# Altium PCB display.PcbDoc (part 4 of 5) (continued)
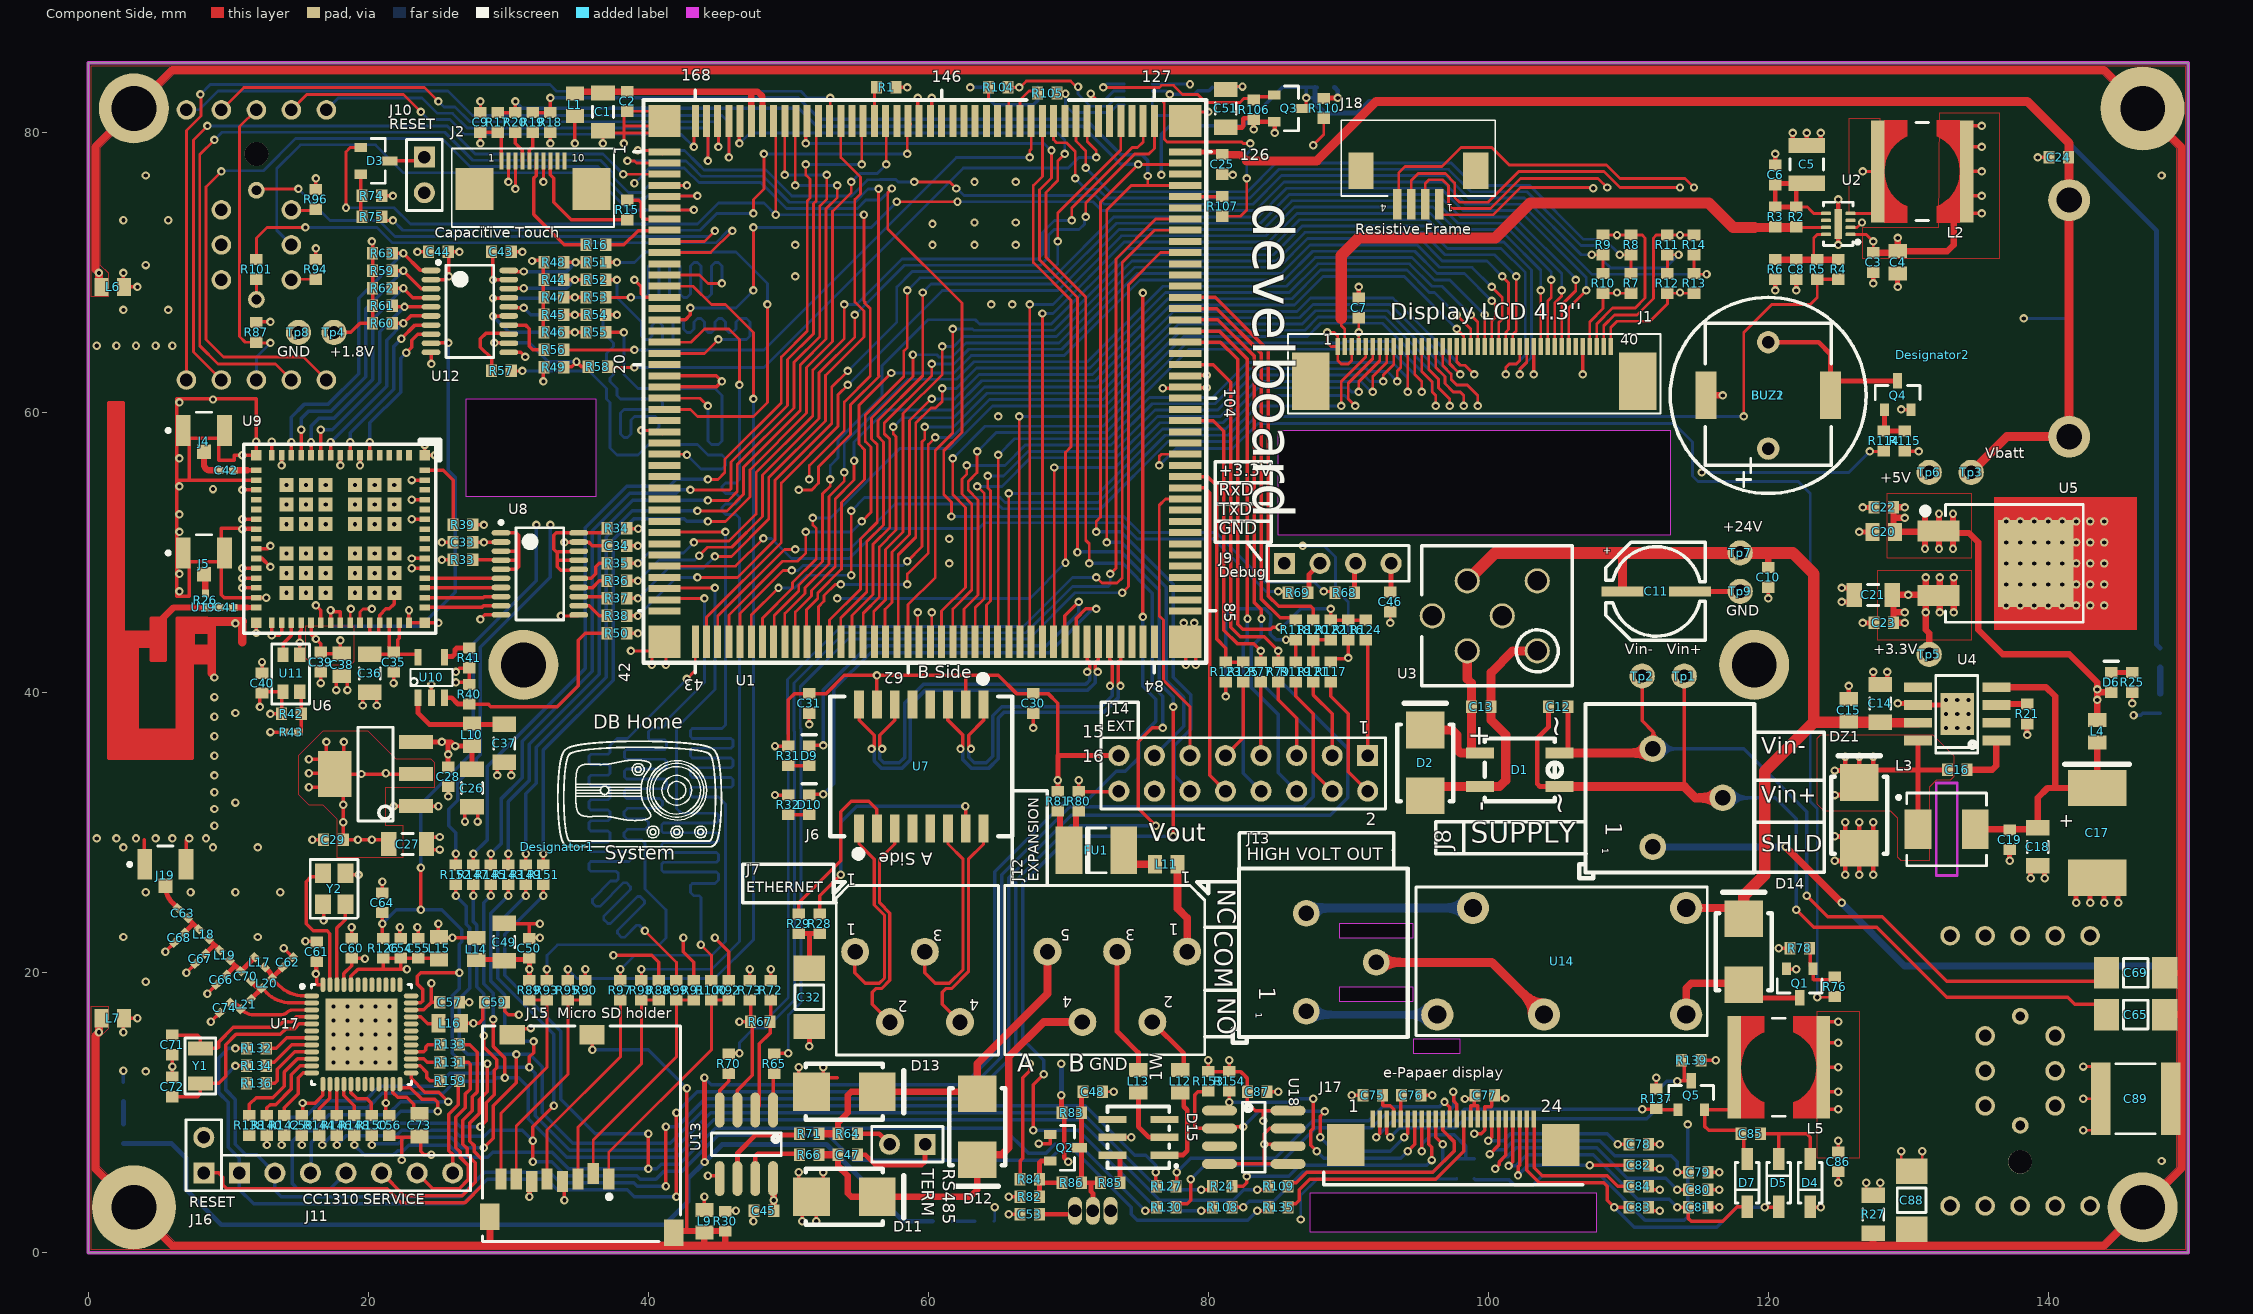
[diagram p0: Component Side view]
## Nets (pads, with @x,y where several pads share a name; then routed paths per layer and width w, separated by ;. In a path a pad name is that pad's centre, name@x,y a point inside that pad or via, vN(x,y) a via of type N, cw(c..) or ccw(c..) an arc to the next point about the centre after c; other vN are vias at no path point) (continued)
PE22_MCI1_DA2: J15.1 R92.2 R100.2 | length 17.1
  Component Side w0.2: J15.1@37.165,5.275 37.165,7.165 44.5,14.5 R100.2@44.5,18.05 R92.2@45.75,18.05
PE22_TIOB4_MCI1_DA2_M19: R100.1 U1.40 | length 61.5
  Component Side w0.2: U1.40@41.15,47.45 41.2,47.5 v1(44.75,47.5) ; v1(43.75,22) 44.5,21.25 R100.1@44.5,19.45
  Bottom Layer w0.2: v1(43.75,22) 43.75,25.39 43.64,25.5 43.25,25.5 43,25.75 43,26.25 43.14,26.39 44.75,26.39 45,26.64 45,27.06 44.86,27.2 41.09,27.2 40.95,27.34 40.95,27.76 41.09,27.9 44.86,27.9 45,28.04 45,28.46 44.86,28.6 41.09,28.6 40.95,28.74 40.95,29.16 41.09,29.3 44.86,29.3 45,29.44 45,29.86 44.86,30 41.09,30 40.95,30.14 40.95,30.56 41.09,30.7 44.86,30.7 45,30.84 45,31.26 44.86,31.4 42.35,31.4 42,31.75 42,37.5 44.75,40.25 v1(44.75,47.5)
PE23_MCI1_DA3: J15.2 R91.2 R99.2 | length 16.1
  Component Side w0.2: J15.2@36.065,5.675 36.065,8.065 42,14 R99.2@42,18.05 R91.2@43.25,18.05
PE23_TCLK4_MCI_DA3_L18: R99.1 U1.43 | length 63.2
  Component Side w0.2: v1(39.75,23) 42,20.75 R99.1@42,19.45 ; v1(42.75,41) 43.35,41.6 U1.43@43.35,43.65
  Bottom Layer w0.2: v1(39.75,23) 39.352,23.398 39.154,23.398 38.291,22.536 38.093,22.536 37.796,22.833 37.796,23.031 39.719,24.954 39.719,25.152 39.422,25.449 39.224,25.449 37.301,23.526 37.103,23.526 36.806,23.823 36.806,24.021 38.729,25.944 38.729,26.142 38.432,26.439 38.234,26.439 36.545,24.75 36.25,24.75 36,25 36,25.25 37.3,26.55 37.709,26.55 37.849,26.69 37.849,27.11 37.709,27.25 35.89,27.25 35.75,27.39 35.75,27.81 35.89,27.95 38.61,27.95 38.75,28.09 38.75,28.51 38.61,28.65 35.89,28.65 35.75,28.79 35.75,29.21 35.89,29.35 37.11,29.35 37.25,29.49 37.25,30 37.11,30.14 35.89,30.14 35.75,30.28 35.75,30.72 35.89,30.86 37.11,30.86 37.25,31 37.25,31.5 37.11,31.64 35.89,31.64 35.75,31.78 35.75,32.22 35.89,32.36 37.11,32.36 37.25,32.5 37.25,33.25 37.11,33.39 35.89,33.39 35.75,33.53 35.75,33.97 35.89,34.11 37.11,34.11 37.25,34.25 37.25,34.75 37.11,34.89 35.89,34.89 35.75,35.03 35.75,35.47 35.89,35.61 37.11,35.61 37.25,35.75 37.25,36.25 37.75,36.75 38.5,36.75 v1(42.75,41)
PE24_RTS3_L19: U1.33
PE25_SCK4_IRQ_M17: U1.37
PE26_RXD4_L15: U1.15
PE27_TXD4_M16: U1.17
PE28_RTS4_L17: U1.42 | length 0.1
  Component Side w0.2: U1.42@41.15,45.85 U1.42@41.25,45.75
PE29_DIBP_URXD0_TWD1_V1: J14.13 R18.2 R19.2 U1.123 | length 97.6
  Component Side w0.2: v1(72.75,50.75) 72.75,74.5 74.5,76.25 U1.123@78.35,76.25 ; 75.675,76.325 v1(75.675,76.925)
  Component Side w0.25: R19.2@31.75,81.45 R18.2@33,81.45 v1(33,82.5)
  Bottom Layer w0.25: v1(33,82.5) 50.707,82.5 52.232,80.975 71.232,80.975 73.782,78.425 75.28,78.425 75.675,78.03 v1(75.675,76.925) ; v1(72.75,50.75) 73.793,50.75 77,47.543 77,40.914 78.25,39.664 78.25,37.62 J14.13@76.15,35.52
PE30_DIBN_UTXD0_TWCK1_U2: J14.12 R17.2 R20.2 U1.125 | length 102.6
  Component Side w0.2: v1(72,51.5) 72,52.25 72.3,52.55 72.3,75.05 v1(75,77.75) 78.25,77.75 U1.125@78.35,77.85
  Component Side w0.25: R17.2@29.25,81.45 R20.2@30.5,81.45 v1(30.5,82.25)
  Bottom Layer w0.25: v1(30.5,82.25) 31,81.75 50.75,81.75 52.025,80.475 71.025,80.475 73.75,77.75 v1(75,77.75) ; v1(72,51.5) 73.75,51.5 77.5,47.75 77.5,41.121 78.75,39.871 78.75,37.413 77.565,36.228 77.565,34.105 J14.12@78.69,32.98
PE31_ADTRG_L4: U1.116
PIOBU0_U3: U1.135
PIOBU1: U1.154
PREVGH: C81.1 D7.2 J17.21 | length 23.7
  Component Side w0.25: v1(101.453,6.203) 101.75,6.5 J17.21@101.75,9.56 ; v1(113.5,3.25) C81.1@114.3,3.25 114.3,2.45 114.5,2.25 116.75,2.25 117.8,3.3 D7.2@118.5,3.3
  Bottom Layer w0.25: v1(101.453,6.203) 101.953,6.203 102.75,7 107.5,7 110.675,3.825 112.925,3.825 v1(113.5,3.25)
PREVGL: C83.1 D5.1 J17.23 | length 25.6
  Component Side w0.25: J17.23@102.75,9.56 102.75,5.901 103.651,5 108.25,5 108.5,4.75 108.5,3.75 v1(109,3.25) C83.1@110.05,3.25 ; v1(119.75,3.25) 120.7,3.25 D5.1@120.75,3.3
  Bottom Layer w0.25: v1(109,3.25) 110.425,1.825 116.325,1.825 117.75,3.25 v1(119.75,3.25)
PWMH0: J14.9 R125.1 | length 6.1
  Component Side w0.25: J14.9@81.23,35.52 82.5,36.79 R125.1@82.5,40.8 R125.1@82.5,41.05
PWMH1: J14.1 R124.1 | length 8.3
  Component Side w0.25: J14.1@91.25,35.66 J14.1@91.39,35.52 R124.1@91.39,43.66
RESE: J17.3 Q5.3 R139.1 | length 26.9
  Component Side w0.25: J17.3@92.75,9.56 92.75,8.5 v1(93,8.25) ; v1(113.5,12.25) 113.537,12.288 114,12.288 ; R139.1@113.8,13.75 114,13.55 114,12.288 ; Q5.3@114.5,12.288 114,12.288
  Bottom Layer w0.25: v1(93,8.25) 93.675,8.925 97.675,8.925 98.325,9.575 111.325,9.575 111.675,9.925 111.675,11.175 112.75,12.25 v1(113.5,12.25)
RESET: R75.2 U1.149 | length 44.8
  Component Side w0.2: R75.2@20.95,74 21.2,73.75 v1(21.75,73.75) ; v1(47.5,74.25) 47.5,75.25 48.25,76 v1(48.25,78.5) ; v1(58.5,78.5) 58.5,80.4 58.75,80.65 U1.149@58.55,80.85
  Bottom Layer w0.2: v1(21.75,73.75) 22.45,73.05 43.686,73.05 44.886,74.25 v1(47.5,74.25) ; v1(48.25,78.5) v1(58.5,78.5)
ROTARY_BTN1: R94.2 S2.P1 S3.P1 | length 1.8
  Component Side w0.2: S2.P1@14.5,69.5 14.55,69.55 R94.2@16.25,69.55
ROTARY_BTN3: R96.2 S2.P3 S3.P3 | length 2
  Component Side w0.2: S2.P3@14.5,74.5 14.55,74.45 R96.2@16.5,74.45
ROTARY_LED0: R101.1 S2.L1 S3.L1 | length 1.5
  Component Side w0.2: S2.L1@12,68.1 R101.1@12,69.55
ROTARY_LED1: S2.L2 S3.L2 U1.9 | length 38.3
  Component Side w0.2: S2.L2@12,75.9 12.1,76 v1(15,76) ; U1.9@41.15,72.25 44,72.25 v1(44.75,73)
  Bottom Layer w0.2: v1(15,76) 17.25,73.75 20.75,73.75 21.9,72.6 44.35,72.6 v1(44.75,73)
RS485_A: D12.2 D13.1 J12.5 R64.2 R71.2 | length 25.8
  Component Side w0.45: R64.2@53.55,8.5 53.55,9.3 54.25,10 54.25,11.25 54.5,11.5 D13.1@56.35,11.5 D12.2@63.349,11.5
  Component Side w0.55: R71.2@52.2,8.5 R64.2@53.55,8.5 ; D12.2@63.5,11.349 63.5,13.5 68.511,18.511 J12.5@68.511,21.51
RS485_B: C47.2 D11.1 D12.1 J12.4 R66.2 | length 31
  Component Side w0.45: C47.2@53.55,7 53.55,6.2 54.25,5.5 54.25,4.25 54.5,4 D11.1@56.35,4 63,4 63.5,4.5 D12.1@63.5,6.65
  Component Side w0.55: R66.2@52.2,7 C47.2@53.55,7 ; D12.1@63.85,7 65.25,7 65.75,7.5 65.75,14 68.24,16.49 J12.4@71,16.49
rx_n: U1.78 U7.14 | length 27.3
  Component Side w0.25: v1(56.7,36) 56.525,36.175 56.525,36.985 57.595,38.055 U7.14@57.595,39.18 ; v1(71.35,41.5) 71.525,41.675 71.525,42.2 71.35,42.375 U1.78@71.35,43.65
  Bottom Layer w0.25: v1(56.7,36) 56.525,35.825 56.525,35.3 56.825,35 57.934,35 58.3,35.366 58.3,39.266 59.634,40.6 71.225,40.6 71.525,40.9 71.525,41.325 v1(71.35,41.5)
rx_p: U1.79 U7.16 | length 28.6
  Component Side w0.25: U7.16@55.055,39.18 55.055,38.055 56.125,36.985 56.125,36.175 v1(55.95,36) ; v1(72.1,41.5) 71.925,41.675 71.925,42.15 72.15,42.375 U1.79@72.15,43.65
  Bottom Layer w0.25: v1(55.95,36) 56.125,35.825 56.125,35.134 56.659,34.6 58.1,34.6 58.7,35.2 58.7,39.1 59.8,40.2 71.391,40.2 71.925,40.734 71.925,41.325 v1(72.1,41.5)
SHDN_T2: U1.124
SHLD: C65.2 C69.1 C88.1 C89.1 J8.1 J15.Z1 J15.Z2 J15.Z3 J15.Z4 L6.2 L7.2 L9.1 pad.HOLE@3.25,3.25 pad.HOLE@3.25,81.75 pad.HOLE@146.75,3.25 pad.HOLE@146.75,81.75 R27.2 R30.1 | length 1279.6
  Component Side w0.25: J15.Z4@30.275,15.575 30.275,16 31.6,16 v1(31.6,16.05) ; J15.Z3@35.965,15.575 36,15.54 v1(36,14.5) ; v1(42.75,11.75) 42.75,1.65 42.85,1.55
  Component Side w0.45: J15.Z1@41.95,1.55 42.85,1.55 L9.1@43.75,1.55 ; 44,0.5 L9.1@44,1.55 ; L9.1@44,1.45 44.1,1.55 R30.1@45.5,1.55 45.5,0.5
  Component Side w0.5: 28.5,0.5 28.675,0.675 J15.Z2@28.675,2.575 ; v1(121.25,29) 124.25,26 v1(125.25,25) ; 127.5,0.5 R27.2@127.5,1.4 ; 130.25,0.5 C88.1@130.25,1.675 ; C65.2@148.325,17.015 149.485,17.015 149.5,17 ; C69.1@148.325,20 149.5,20 ; C89.1@148.75,11 149.25,11 149.5,10.75
  Component Side w0.55: L7.2@0.95,16.75 0.75,16.55 v1(0.75,15.75) 0.5,15.5 0.5,6 pad.HOLE@3.25,3.25 6,0.5 28.5,0.5 127.5,0.5 130.25,0.5 144,0.5 pad.HOLE@146.75,3.25 149.5,6 149.5,10.75 149.5,17 149.5,20 149.5,79 pad.HOLE@146.75,81.75 144,84.5 6,84.5 pad.HOLE@3.25,81.75 0.5,79 0.5,70.25 v1(0.75,70) 0.75,69.2 L6.2@0.95,69
  Inner w0.25: v1(31.6,16.05) 34.45,16.05 v1(36,14.5)
  Inner w0.55: v1(0.75,15.75) 0.5,15.5 0.5,6 pad.HOLE@3.25,3.25 6,0.5 144,0.5 pad.HOLE@146.75,3.25 149.5,6 149.5,79 pad.HOLE@146.75,81.75 144,84.5 6,84.5 pad.HOLE@3.25,81.75 0.5,79 0.5,70.25 v1(0.75,70)
  Bottom Layer w0.25: v1(36,14.5) 40,14.5 v1(42.75,11.75)
  Bottom Layer w0.5: J8.1@111.75,29 v1(121.25,29) ; v1(125.25,25) 129.75,20.5 149.5,20.5
  Bottom Layer w0.55: v1(0.75,15.75) 0.5,15.5 0.5,6 pad.HOLE@3.25,3.25 6,0.5 144,0.5 pad.HOLE@146.75,3.25 149.5,6 149.5,20.5 149.5,79 pad.HOLE@146.75,81.75 144,84.5 6,84.5 pad.HOLE@3.25,81.75 0.5,79 0.5,70.25 v1(0.75,70)
sw: L2.1 U2.4 | length 4
  Component Side w0.2: U2.4@125.875,74.25 128.75,74.25 ; v1(126.75,77.25) L2.1@127.825,77.25
sw_5V: C16.2 DZ1.1 L3.1 U4.8 | length 17.8
  Component Side w0.35: v1(124.75,32.699) DZ1.1@125.7,32.699 ; v1(124.75,34.449) DZ1.1@125.7,34.449 ; DZ1.1@125.5,34.499 v1(125.5,35.449) ; DZ1.1@126.5,33.599 127.4,34.5 DZ1.1@127.5,34.5 ; DZ1.1@126.5,34.499 v1(126.5,35.449) ; v1(127.5,35.449) DZ1.1@127.5,34.5 ; L3.1@130.7,30.25 130.7,34.5 ; U4.8@130.7,36.595 130.7,34.5 ; C16.2@132.8,34.5 130.7,34.5 ; DZ1.1@127.5,34.5 130.7,34.5
TD: J14.2 R117.1 | length 9.2
  Component Side w0.25: R117.1@88.75,41.05 R117.1@88.75,40.8 88.75,39.75 90,38.5 90,34.37 J14.2@91.39,32.98
TF: J14.4 R119.1 | length 9.1
  Component Side w0.25: R119.1@86.25,41.05 R119.1@86.25,40.8 86.25,39.75 87.5,38.5 87.5,34.33 J14.4@88.85,32.98
TK: J14.3 R121.1 | length 6.1
  Component Side w0.25: R121.1@87.5,41.05 R121.1@87.5,40.8 87.5,39.85 88.85,38.5 J14.3@88.85,35.52
to_shield0: C32.1 R28.1 R29.1 | length 4
  Component Side w0.35: R29.1@50.75,22.8 51.5,22.8 ; C32.1@51.5,20.325 51.5,22.8 ; R28.1@52.25,22.8 51.5,22.8
tx_n: U1.80 U7.9 | length 22.6
  Component Side w0.25: v1(63.05,36) 62.875,36.175 62.875,36.985 63.945,38.055 U7.9@63.945,39.18 ; U1.80@72.95,43.65 72.95,42.375 73.15,42.175 73.15,40.675 v1(72.975,40.5)
  Bottom Layer w0.25: v1(63.05,36) 62.875,35.825 62.875,35.4 63.275,35 64.134,35 64.6,35.466 64.6,38.366 65.234,39 72.35,39 73.15,39.8 73.15,40.325 v1(72.975,40.5)
tx_p: U1.81 U7.11 | length 23.9
  Component Side w0.25: U7.11@61.405,39.18 61.405,38.055 62.475,36.985 62.475,36.175 v1(62.3,36) ; v1(73.725,40.5) 73.55,40.675 73.55,42.175 73.75,42.375 U1.81@73.75,43.65
  Bottom Layer w0.25: v1(62.3,36) 62.475,35.825 62.475,35.234 63.109,34.6 64.3,34.6 65,35.3 65,38.2 65.4,38.6 72.516,38.6 73.55,39.634 73.55,40.325 v1(73.725,40.5)
usb1_n: U1.143
usb1_p: U1.144
usb2_n: U1.146
usb2_p: U1.145
usb_otg_n: U1.141
usb_otg_p: U1.142
VBatt: C24.2 C25.2 J3.P1 J3.P2 Tp3.1 U1.126 | length 98.3
  Component Side w0.35: U1.126@78.35,78.65 C25.2@80.9,78.65
  Component Side w0.45: C24.2@141.45,78.25 141.45,75.25 J3.P2@141.5,75.2
  Component Side w0.55: C25.2@81,78.45 82.3,78.45 82.75,78
  Component Side w0.65: 82.75,78 87.75,78 92,82.25 138.5,82.25 141.5,79.25 J3.P2@141.5,75.2 J3.P1@141.5,58.3 137.05,58.3 Tp3.1@134.5,55.75
VDD_SD: C49.1 C50.1 J15.4 L14.2 R88.1 R89.1 R90.1 R91.1 R92.1 | length 61.9
  Component Side w0.25: v1(34,3.75) J15.4@34,4.95 ; R90.1@35.5,19.45 v1(35.5,20.25) ; v1(37.5,21.25) 40.25,21.25 40.75,20.75 R88.1@40.75,19.45 ; v1(42.5,22.5) 42.5,21.5 43.25,20.75 R91.1@43.25,19.45 ; v1(44.75,22.5) 45.75,21.5 R92.1@45.75,19.45
  Component Side w0.35: L14.2@27.75,20.95 31.35,20.95 31.5,20.8 R89.1@31.5,19.45
  Inner w0.25: v1(31.5,20.25) 31.5,19.25 ; v1(34,3.75) 34,11.945 33.695,12.25 30.075,15.87 30.075,17.325 31.5,18.75 31.5,19.25 ; v1(35.5,20.25) 35.5,19.25 ; v1(37.5,21.25) 36.75,20.5 36.75,19.25 ; v1(42.5,22.5) 42.5,19.25 ; v1(44.75,22.5) 45.75,21.5 45.75,19.25 42.5,19.25 ; 31.5,19.25 35.5,19.25 ; 35.5,19.25 36.75,19.25 ; 36.75,19.25 42.5,19.25
VDDR: C59.2 C60.2 C61.2 L16.1 U17.45 U17.48 | length 25.7
  Component Side w0.25: v1(16.25,19.925) 16.25,20.75 C61.2@16.3,20.8 16.3,19.2 16.35,19.15 U17.48@16.75,19.15 ; U17.45@18.25,19.15 18.25,19.95 18.8,20.5 C60.2@18.8,21.05 19.7,21.05 v1(19.75,21) ; L16.1@26.6,16.4 v1(27.5,16.4) 27.9,16.4 28.175,16.675 28.175,17.775 C59.2@28.3,17.9
  Inner w0.25: v1(16.25,19.925) 16.25,20.5 16.75,21 v1(19.75,21) 27,21 27.875,20.125 27.875,17.62 27.5,17.245 v1(27.5,16.4)
VDDS: C54.2 C55.2 C56.2 C57.2 C58.2 L15.1 R126.1 U17.13 U17.22 U17.34 U17.44 | length 39.6
  Component Side w0.25: C58.2@15.25,9.8 15.3,9.85 v1(15.3,10.7) 16.193,10.7 16.75,11.257 U17.13@16.75,12.05 ; U17.44@18.75,19.15 18.75,19.743 19.257,20.25 21,20.25 ; U17.22@21.25,12.05 v1(21.25,10.7) 21.25,10.05 C56.2@21.5,9.8 ; C54.2@22.3,21.05 22.3,20.3 22.25,20.25 ; v1(22.75,20.25) 22.25,20.25 ; U17.34@23.05,17.35 23.957,17.35 24.507,17.9 ; v1(24.5,19.25) 24.5,17.907 24.507,17.9 ; L15.1@25.05,20.95 24.95,21.05 R126.1@21.05,21.05 21.05,20.3 21,20.25 ; C57.2@25.1,17.9 24.507,17.9 ; 21,20.25 22.25,20.25
  Inner w0.25: v1(15.3,10.7) v1(21.25,10.7) 23.45,10.7 25,12.25 25,18.75 v1(24.5,19.25) 23.5,20.25 v1(22.75,20.25)
VIN+: C12.2 C65.1 D1.AC2 J8.2 Tp1.1 | length 65
  Component Side w0.25: 114,33.3 Tp1.1@114,41.2 ; v1(122,24.5) 123.25,23.25 127.75,23.25 132.75,18.25 141.396,18.25 141.896,17.75 143.44,17.75 C65.1@144.175,17.015
  Component Side w0.35: C12.2@104.3,39 104.3,37.55 103.5,36.75 103.5,33.5 103.7,33.3 D1.AC2@105.1,33.3
  Component Side w0.65: D1.AC2@105.1,33.3 114,33.3 114.8,32.5 J8.2@116.75,32.5
  Bottom Layer w0.25: J8.2@116.75,32.5 120.5,32.5 122,31 v1(122,24.5)
VIN-: C12.1 C69.2 D1.AC1 J8.3 Tp2.1 | length 59.3
  Component Side w0.25: Tp2.1@111,41.2 111,38 111.8,37.2 J8.3@111.8,35.7 ; v1(122.75,25.5) 124.25,24 126.707,24 128.146,24 132.75,19.396 143.571,19.396 C69.2@144.175,20
  Component Side w0.35: D1.AC1@105.1,35.7 105.7,35.7 C12.1@105.7,39
  Component Side w0.65: D1.AC1@105.7,35.7 111.8,35.7 J8.3@112.1,36
  Bottom Layer w0.25: J8.3@111.75,36 115,36 118.25,36 122.75,31.5 v1(122.75,25.5)
WKUP_V3: U1.132
WLAN_PWR: R40.2 R50.2 U10.3 | length 15.9
  Component Side w0.25: R40.2@27.2,39.2 28.55,39.2 28.75,39 33.5,39 35,40.5 35,43.75 35.5,44.25 R50.2@37.05,44.25
  Component Side w0.35: U10.3@25.45,39.65 25.95,39.65 26.4,39.2 R40.2@27.2,39.2
pads on no net: D15.3 D15.4 J1.35 J1.Z1 J1.Z2 J2.9 J2.10 J2.Z1 J2.Z2 J17.1 J17.MH1 J17.MH2 J18.Z1 J18.Z2 R136.2 R138.2 S2.M1 S2.P4 S2.P5 S2.P6 S3.M1 S3.P4 S3.P5 S3.P6 U1.82 U1.83 U1.84 U1.85 U1.86 U1.87 U1.88 U1.89 U1.90 U1.91 U1.92 U1.150 U2.3 U2.6 U4.2 U4.5 U7.4 U7.5 U7.12 U7.13 U9.2 U9.3 U9.4 U9.5 U9.21 U9.22 U9.25 U9.56 U9.57 U9.58 U9.60 U9.62 U15.9 U17.6 U17.18 U17.19 U17.20 U17.21 U17.29 U17.30 U17.31 U17.32 U17.36 U17.37 U17.38 U17.39 U17.40 U17.41 U17.42 U17.43 U18.3

## Polygon pours and split planes (outlines as drawn)
GND on Inner "NONET_L02_P303" (solid, remove dead copper, shelved, pour order 303): 0,0 0,85 150,85 150,0
+3.3V on Inner "NONET_L02_P302" (solid, remove dead copper, shelved, pour order 302): 20.25,28 20.25,22.75 21,22 32.5,22 34.5,24 46,24 46.75,23.25 46.75,18.75 43.25,15.25 43.25,3.25 44.25,2.25 68,2.25 68,7.5 69,8.5 140.25,8.5 145,13.25 145,36.75 144.75,37 142.25,37 141.75,37.5 141.75,40 140,41.75 135.25,41.75 134,43 134,49 133.75,49.25 128.7,49.25 128,49.95 128,54 127.75,54.25 120.75,54.25 116,59 116,68.5 120.5,73 120.5,80.75 92,80.75 90.25,79 80.5,79 79.5,80 79.5,82.25 78.25,82.25 77.25,83.25 63.75,83.25 28,83.25 24.25,79.5 16.75,79.5 10.75,73.5 10.75,59 11.25,58.5 13.32,58.5 13.32,61.57 16.25,64.5 16.25,67.25 17,68 18.4,68 18.75,68.35 18.75,72.5 19.5,73.25 26.45,73.25 27.25,72.45 27.25,54.05 27.2,54 30.75,54 30.75,44.5 25.25,39 22.25,39 21.5,38.25 21.5,36.5 22,36 23.75,36 25,34.75 25,33 23,31 23,28.5 22.5,28
+5V on Inner "NONET_L02_P301" (solid, remove dead copper, shelved, pour order 301): 80.5,82.25 80,81.75 80,79.75 80.5,79.25 90.25,79.25 92,81 131.75,81 132.25,80.5 132.25,74.25 131,73 125.5,73 125.25,72.75 120.5,72.75 116.25,68.5 116.25,59 120.75,54.5 127.75,54.5 128.25,54 128.25,50 128.75,49.5 133.75,49.5 134.25,49 134.25,43 135.25,42 140,42 142,40 142,37.75 142.5,37.25 144.75,37.25 145.25,36.75 145.25,13 140.5,8.25 69.25,8.25 68.25,7.25 68.25,2.25 140.45,2.25 147.75,9.55 147.75,73.75 139.25,82.25
sw_5V on Inner "NONET_L02_P294" (solid, remove dead copper, shelved, pour order 294): 131.75,37 133.25,35.5 133.25,34 133,33.75 132,33.75 131.5,33.25 131.5,28 129.5,28 129.25,28.25 129.25,31.05 128.75,31.55 124,31.55 123.5,32.05 123.5,36.75 123.75,37
+5V on Inner "NONET_L02_P295" (solid, remove dead copper, shelved, pour order 295): 132.25,81.45 136.5,81.45 136.5,71 126.75,71 126.75,73.25 132.175,73.25
sw on Inner "NONET_L02_P293" (solid, remove dead copper, shelved, pour order 293): 125.75,74.15 130,74.15 130,81 125.75,81
+3.3V on Inner "+3.3V_L02_P162" (solid, remove dead copper, shelved, pour order 292): 20,28.25
SHLD on Inner "NONET_L02_P298" (solid, remove dead copper, shelved, pour order 298): 0.2,17.6 1.4,17.6 1.4,16 0.75,15.35 0.75,6.2 6.15,0.8 143.9,0.8 149.2,6.1 149.2,78.9 143.9,84.2 6.1,84.2 0.8,78.9 0.8,70.6 1.4,70 1.4,68.3 0.2,68.3 0.2,84.8 149.8,84.8 149.8,0.2 0.2,0.2
VDD_SD on Inner "NONET_L02_P299" (solid, remove dead copper, shelved, pour order 299): 28.25,2.5 28.5,2.75 42.5,2.75 43,3.25 43,15.5 46.25,18.75 46.25,23.5 46,23.75 34.5,23.75 32.5,21.75 29,21.75 28.75,21.5 28.75,20 28.75,15.5 28.5,15.25 28.5,14.5
+1.8V on Inner "NONET_L02_P300" (solid, shelved, pour order 300): 27,72.5 26.5,73 19.5,73 19,72.5 19,68.25 18.5,67.75 17,67.75 16.5,67.25 16.5,64.5 13.5,61.5 13.5,44 11.75,42.25 11.75,37.5 12.5,36.75 12.5,30 14.25,28.25 22.5,28.25 22.75,28.5 22.75,31 24.75,33 24.75,34.75 23.75,35.75 22,35.75 21.25,36.5 21.25,38.25 22.25,39.25 25,39.25 31.5,45.75 31.5,54 27,58.5 27,72.25
VDDR on Inner "NONET_L02_P296" (solid, remove dead copper, shelved, pour order 296): 16,19.25 16,27 16.5,27.5 19.75,27.5 20,27.25 20,22.75 21,21.75 28.25,21.75 28.75,21.25 28.5,21 28.5,15 28,14.5 26,14.5 25.75,14.75 25.75,19.75 25,20.5 18,20.5 16.75,19.25
VDDS on Inner "NONET_L02_P297" (solid, remove dead copper, shelved, pour order 297): 24.75,4.75 25.75,5.75 25.75,19.75 25,20.5 17.5,20.5 16,19 16,17.25 14.75,16 6,16 5.25,15.25 5.25,7.5 8,4.75
GND on Component Side "NONET_L01_P291" (solid, remove dead copper, shelved, pour order 291): 0,0 0,85 150,85 150,0
+1.8V on Component Side "NONET_L01_P282" (solid, remove dead copper, shelved, pour order 282): 15.5,44.75 15.5,42.5 16,42 18.75,42 19,42.25 19,44.75
+1.8V on Component Side "NONET_L01_P287" (solid, remove dead copper, shelved, pour order 287): 22.5,28.25 22.5,30.5 21.25,30.5 21.25,33.25 24.75,33.25 24.75,35 24.5,35.25 22,35.25 20,37.25 16.75,37.25 15,35.5 15,32.75 15.75,32 16.75,32 17.75,31 17.75,28.25
+3.3V on Component Side "NONET_L01_P286" (solid, remove dead copper, shelved, pour order 286): 127.825,48.75 134.5,48.75 134.5,43.75 127.825,43.75
+5V on Component Side "NONET_L01_P284" (solid, remove dead copper, shelved, pour order 284): 128.5,54.25 134.5,54.25 134.5,49.6 128.5,49.6
sw on Component Side "NONET_L01_P283" (solid, remove dead copper, shelved, pour order 283): 125.75,74.25 128,74.25 128,81 125.75,81
+3.3V on Component Side "NONET_L01_P285" (solid, remove dead copper, shelved, pour order 285): 123.5,17.25 126.5,17.25 126.5,6.75 123.5,6.75
+5V on Component Side "NONET_L01_P289" (solid, remove dead copper, shelved, pour order 289): 132.25,81.45 136.5,81.45 136.5,71 126.75,71 126.75,73.25 132.175,73.25
sw_5V on Component Side "NONET_L01_P288" (solid, remove dead copper, shelved, pour order 288): 131.75,37 133.25,35.5 133.25,34 133,33.75 132,33.75 131.5,33.25 131.5,28 129.5,28 129.25,28.25 129.25,31.05 128.75,31.55 124,31.55 123.5,32.05 123.5,36.75 123.75,37
SHLD on Component Side "NONET_L01_P290" (solid, remove dead copper, shelved, pour order 290): 0.2,17.6 1.4,17.6 1.4,16 0.75,15.35 0.75,6.2 6.15,0.8 143.9,0.8 149.2,6.1 149.2,78.9 143.9,84.2 6.1,84.2 0.8,78.9 0.8,70.6 1.4,70 1.4,68.3 0.2,68.3 0.2,84.8 149.8,84.8 149.8,0.2 0.2,0.2
GND on Bottom Layer "NONET_L04_P308" (solid, remove dead copper, shelved, pour order 308): 0,0 0,85 150,85 150,0
sw_5V on Bottom Layer "NONET_L04_P305" (solid, remove dead copper, shelved, pour order 305): 131.75,37 133.25,35.5 133.25,34 133,33.75 132,33.75 131.5,33.25 131.5,28 129.5,28 129.25,28.25 129.25,31.05 128.75,31.55 124,31.55 123.5,32.05 123.5,36.75 123.75,37
+5V on Bottom Layer "NONET_L04_P306" (solid, remove dead copper, shelved, pour order 306): 132.25,81.45 136.5,81.45 136.5,71 126.75,71 126.75,73.25 132.175,73.25
sw on Bottom Layer "NONET_L04_P304" (solid, remove dead copper, shelved, pour order 304): 125.75,74.25 128,74.25 128,81 125.75,81
SHLD on Bottom Layer "NONET_L04_P307" (solid, remove dead copper, shelved, pour order 307): 0.2,17.6 1.4,17.6 1.4,16 0.75,15.35 0.75,6.2 6.15,0.8 143.9,0.8 149.2,6.1 149.2,78.9 143.9,84.2 6.1,84.2 0.8,78.9 0.8,70.6 1.4,70 1.4,68.3 0.2,68.3 0.2,84.8 149.8,84.8 149.8,0.2 0.2,0.2
GND on GND1 (split plane): 149.748,0.252 0.252,0.252 0.252,30 8.5,30 8.5,45.5 6.25,45.5 6.25,64.5 0.252,64.5 0.252,84.748 149.748,84.748
sw_5V on GND1 (split plane): 132.375,36.075 133.073,35.377 133.073,34.173 132.827,33.927 132,33.927 131.954,33.92 131.912,33.903 131.875,33.875 131.375,33.375 131.347,33.338 131.33,33.296 131.323,33.25 131.323,28.177 129.573,28.177 129.427,28.323 129.427,31 129.42,31.046 129.403,31.088 129.375,31.125 128.875,31.625 128.838,31.653 128.796,31.67 128.75,31.677 124.073,31.677 123.677,32.073 123.677,36.677 123.823,36.823 131.627,36.823
+3.3V on GND1 (split plane): 134.073,43.927 132.5,43.927 132.454,43.92 132.412,43.903 132.375,43.875 132.347,43.838 132.33,43.796 132.323,43.75 132.323,41.927 130.677,41.927 130.677,43.75 130.67,43.796 130.653,43.838 130.625,43.875 130.588,43.903 130.546,43.92 130.5,43.927 128.427,43.927 128.427,48.723 134.073,48.723
sw on GND1 (split plane): 129.823,73.927 127.677,73.927 127.677,74.25 127.67,74.296 127.653,74.338 127.625,74.375 127.588,74.403 127.546,74.42 127.5,74.427 125.927,74.427 125.927,80.823 129.823,80.823
+5V on GND1 (split plane): 134.573,49.777 128.677,49.777 128.677,54.073 134.573,54.073

## Keep-outs
Keep-Out Layer:
  the board outline again, w0.25

## Other copper
Component Side:
  pour cut-out: 119,17.675 123.25,17.675 123.25,8.75 119,8.75
  pour cut-out: 130,81.5 132.25,81.5 132.25,73 130,73
  region: 3.25,81.75
  pour cut-out: 80.75,30.75 92.5,30.75 93,31.25 93,39.5 93.75,40.25 107.25,40.25 107.5,40.5 107.5,42.75 108,43.25 115.75,43.25 119,40 119,27.25 113.5,27.25 111.75,25.5 111.75,14.25 108.25,10.75 102,10.75 101,11.75 90.5,11.75 89,10.75 86.5,10.75 85.25,12 83.25,12 80.75,14.5
  pour cut-out: -0.25,64.5 6.25,64.5 6.25,45.5 8.5,45.5 8.5,30 -0.25,30
  region net PA7_LCDDAT7_E5: 49,45.25
Inner:
  pour cut-out: -0.25,64.5 6.25,64.5 6.25,45.5 8.5,45.5 8.5,30 -0.25,30
  pour cut-out: 80.75,30.75 92.5,30.75 93,31.25 93,39.5 93.75,40.25 107.25,40.25 107.5,40.5 107.5,42.75 108,43.25 115.75,43.25 119,40 119,27.25 113.5,27.25 111.75,25.5 111.75,14.25 108.25,10.75 102,10.75 101,11.75 90.5,11.75 89,10.75 86.5,10.75 85.25,12 83.25,12 80.75,14.5
Bottom Layer:
  region net +3.3V: 76.5,83
  region net +3.3V: 76,83
  region: 76,83.5
  pour cut-out: -0.25,64.5 6.25,64.5 6.25,45.5 8.5,45.5 8.5,30 -0.25,30
  pour cut-out: 80.75,30.75 92.5,30.75 93,31.25 93,39.5 93.75,40.25 107.25,40.25 107.5,40.5 107.5,42.75 108,43.25 115.75,43.25 119,40 119,27.25 113.5,27.25 111.75,25.5 111.75,14.25 108.25,10.75 102,10.75 101,11.75 90.5,11.75 89,10.75 86.5,10.75 85.25,12 83.25,12 80.75,14.5
GND1 (plane layer: these items are gaps in the copper):
  pour cut-out: 80.75,30.75 92.5,30.75 93,31.25 93,39.5 93.75,40.25 107.25,40.25 107.5,40.5 107.5,42.75 108,43.25 115.75,43.25 119,40 119,27.25 113.5,27.25 111.75,25.5 111.75,14.25 108.25,10.75 102,10.75 101,11.75 90.5,11.75 89,10.75 84.5,10.75 80.75,14.5
  pour cut-out: -0.25,64.5 6.25,64.5 6.25,45.5 8.5,45.5 8.5,30 -0.25,30
  lines w0.35: 131.5,33.25 131.5,28 129.5,28 129.25,28.25 129.25,31 128.75,31.5 124,31.5 123.5,32 123.5,36.75 123.75,37 131.7,37 132.5,36.2 133.25,35.45 133.25,34.1 132.9,33.75 132,33.75 131.5,33.25 ; 131.5,33.25 131.5,33.25 ; 125.75,74.25 125.75,81 130,81 130,73.75 127.5,73.75 127.5,74.25 125.75,74.25 ; 128.25,43.75 128.25,48.9 134.25,48.9 134.25,43.75 132.5,43.75 132.5,41.75 130.5,41.75 130.5,43.75 128.25,43.75 ; 128.5,49.6 128.5,54.25 134.75,54.25 134.75,49.6 128.5,49.6

## Silkscreen, mask and mechanical layers (free items; w line width, h text height)
Top Overlay:
  lines w0.25: 53.25,25 53.25,27.75 46.75,27.75 46.75,25 53.423,25 ; 66,26.25 66,33 68.5,33 68.5,26.25 ; 72.34,36.79 72.34,39.34 75,39.34 75,36.79 ; 79.75,15.42 81.75,15.42 ; 79.75,18.75 82.2,18.75 ; 79.75,23.25 82.2,23.25 ; 80,26.5 82.2,26.5 ; 80.5,52.25 84.5,52.25 ; 80.5,53.5 84.5,53.5 ; 80.5,55 84.5,55 ; 82.2,27.45 82.2,29.95 82.25,30 93.25,30 93.25,27.45 ; 83.75,49.5 82.75,50.75 ; 93.225,28.75 93.25,28.725 ; 98.25,28.5 98.25,30.75 ; 106.95,30.75 106.9,30.8 96.25,30.8 96.25,28.5 107,28.5 ; 119,27.17 124,27.17 124,30.75 ; 119,30.75 124,30.75 ; 119,33.75 124,33.75 ; 119,37.2 124,37.2 124,36.75 124,33.75 ; 82.75,50.75 84.5,50.75 84.5,56.5 80.5,56.5 80.5,50.75 81,50.75 82.75,50.75 ; 124,30.75 124,33.75
  text "+3.3V" at 80.75,55.2 h1.5
  text "RxD" at 80.75,53.8 h1.5
  text "TxD" at 80.75,52.4 h1.5
  text "GND" at 80.75,51.035 h1.5
  text "Vin-" at 119.5,35.25 h2
  text "Vin+" at 119.5,31.75 h2
  text "Vout" at 75.75,28.959 h2.2
  text "SHLD" at 119.5,28.25 h2
  text "NC" at 80.25,26 h2.2 r270
  text "COM" at 80.05,23 h2.2 r270
  text "NO" at 80.25,18.25 h2.2 r270
  text "GND" at 71.5,12.75 h1.5
  text "A" at 66.35,12.5 h2.2
  text "B" at 70,12.5 h2.2
  text "1W" at 77,12.25 h1.5 r90
  text "RS485 / TERM" at 59.25,6 h1.5 r270
Bottom Overlay:
  lines w0.35: 22.5,9.5 22.5,74.5 127.5,74.5 127.5,9.5 22.5,9.5
Top Solder:
  text "Rev.A" at 131.25,64.5 h1.5 r90
Solder Side:
  text "Rev.A" at 122.25,4.5 h1.5 r270
Drawing:
  lines w0.05: 15,0 135,84 ; 22.25,8.25 127.75,75.75 ; 88.75,30.5 109.25,75.75 ; 88.75,75.75 109.25,30.5
  lines w0.1: 59,50.5 59,73.86 ; 88.75,50.5 88.75,75.75 ; 109,30.5 109.25,30.5 ; 109.25,40.5 109.25,75.75 127.75,75.75 ; 127.75,75.75 127.75,6 22.25,6 22.25,75.75 127.75,75.75
  lines w0.15: 25.5,57.25 37.5,57.25 37.5,39.25 34.55,39.25 ; 83.5,74.5 83.5,99.5 79.5,99.5 79.5,74.5 22.5,74.5 ; 87.5,0 87.5,8 107.5,8 107.5,0 ; 88.75,50.5 92.5,50.5 ; 92.5,49 102,49 102,40.5 92.5,40.5 92.5,50.5 ; 97.5,-13.125 97.5,12 ; 116,65.5 92.5,65.5 92.5,50.5 ; 22.5,9.5 127.5,74.5 ; 22.5,9.5 22.5,74.5 ; 22.5,9.5 127.5,9.5 ; 22.5,74.5 127.5,9.5 ; 22.5,74.5 127.5,74.5 ; 127.5,9.5 127.5,74.5
  lines w0.2: 59,50.5 88.6,50.5 ; 88.75,75.75 88.75,30.5 109,30.5 ; 99,37.5 99,53.125 ; 100.8,81.1 100.8,92.1 102.2,89.7 99.6,89.7 99.4,89.9 99.4,90.5 100.8,91.9 ; 109.25,30.5 109.25,50.5 ; 109.25,71.15 109.25,75.75 ; 15,0 135,0 135,84 15,84 15,64.7 cw(c-8.744,58.1) 15,51.5 15,0
  lines w0.25: 21.8,85.75 21.8,75.75 31.8,75.75 41.8,75.75 41.8,85.75 ; 91.25,3.5 91.25,-15 ; 103.75,3.5 103.75,-15 ; 29.5,3.5 120.5,80.5 ; 29.5,3.5 29.5,80.5 ; 29.5,3.5 120.5,3.5 ; 29.5,80.5 120.5,3.5 ; 29.5,80.5 120.5,80.5 ; 91.25,-15 103.75,-11.25 ; 91.25,-15 103.75,-15 ; 103.75,-15 91.25,-11.25 103.75,-11.25 ; 103.75,-15 103.75,-11.25 ; 120.5,3.5 120.5,80.5
  lines w0.3: 31.8,37.85 31.8,40.6 ; 31.8,39.25 34.55,39.25 ; 31.8,74.35 31.8,77.1 ; 34.55,39.25 34.55,75.75 29.05,75.75 29.05,39.25 34.55,39.25
  text "UP" at 93,87 h5
  text "Flat Touch --->" at 30.8,74.322 h4 r270
  text "Flat --->" at 99,71 h4 r270
  text "DISPLAY 4.3''" at 7.25,12.75 h5 r270
  text "EVA01" at 23.5,0.5 h5
  text "Mechanical Characteristics" at -17,-65.75 h5
  text "Mechanical Characteristics" at 261,-65.75 h5